# Altium PCB ArtistV1.0.PcbDoc (part 2 of 2)
Units mil, origin at the board's own origin, x right, y up, seen from the top; angles counter-clockwise.
Board outline 3855.44 x 3150 mil, 2 copper layers (Top, Bottom); 115 components, 178 nets, 596 pads, 178 vias.
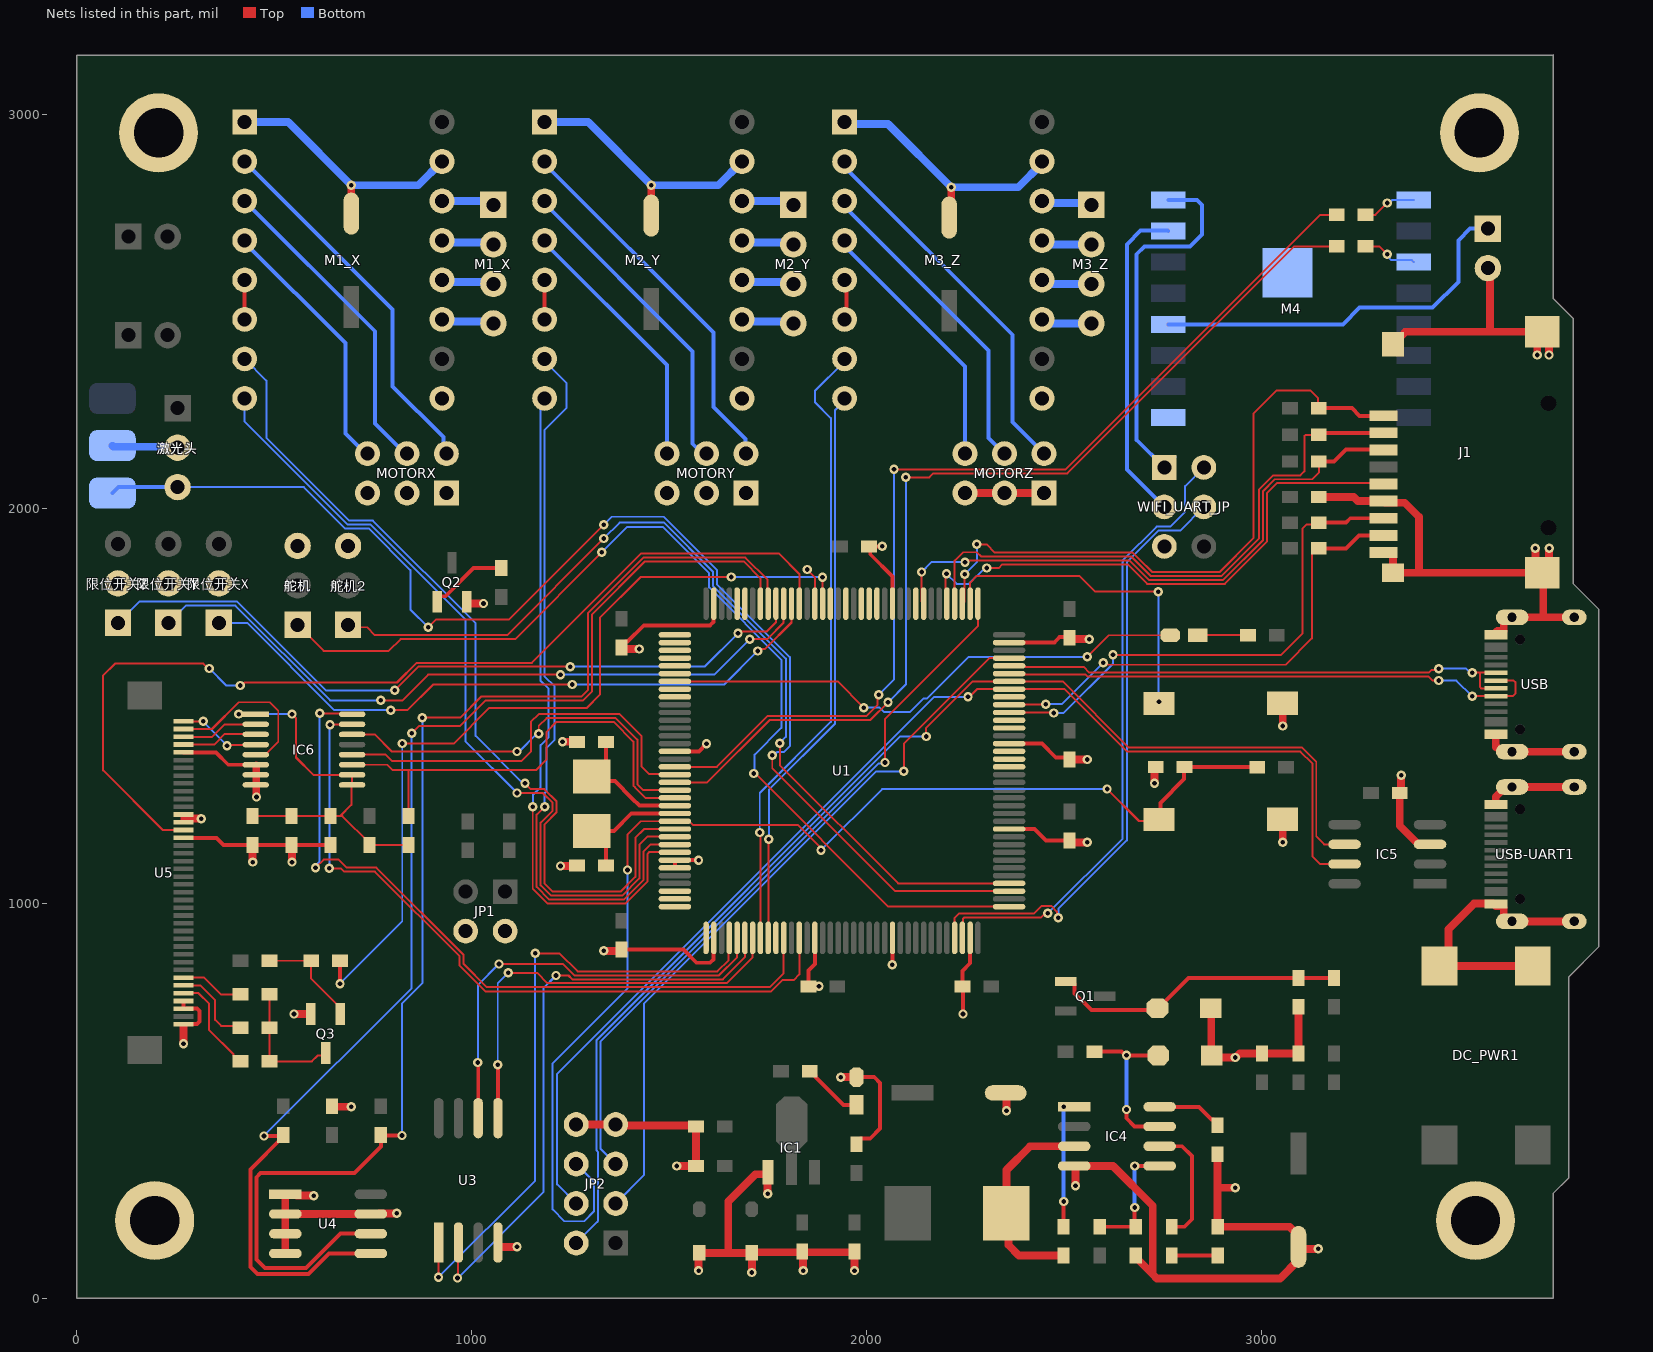
[diagram p2: the nets of this part, all layers, seen from the top]

## Via types
v1: diameter 23.62, hole 11.81, Top to Bottom, 170 vias
v2: diameter 50, hole 28, Top to Bottom, 6 vias
v3: diameter 62.99, hole 62.99, Top to Bottom, 1 vias
v4: diameter 70.87, hole 70.87, Top to Bottom, 1 vias

## Nets (pads, with @x,y where several pads share a name; then routed paths per layer and width w, separated by ;. In a path a pad name is that pad's centre, name@x,y a point inside that pad or via, vN(x,y) a via of type N, cw(c..) or ccw(c..) an arc to the next point about the centre after c; other vN are vias at no path point) (continued)
GND: "GPIO0  GND.2" C1.1 C4.1 C5.1 C6.1 C7.1 C8.1 C9.1 C10.1 C14.1 C15.2 C16.2 C17.2 C18.2 C20.2 C21.2 C23.2 C25.1 C26.1 C27.2 C28.1 C29.1 C37.1 C38.2 C39.2 C42.1 C43.1 C44.2 D1.1 D2.1 DC_PWR1.2 DC_PWR1.3 Designator1.1 Designator2.1 Designator3.1 Designator4.1 DZ1.1 DZ2.1 E1.2 E2.2 E3.2 IC1.1 IC4.4 IC5.3 IC6.6 IC6.7 IC6.8 J1.6 J1.9 J1.10 J1.11 J1.12 J1.13 JP1.2 JP1.4 JP2.7 JP2.8 Key_RST.2 Key_User.2 M1_X.1@425,2980 M1_X.9 M1_X.15 M2_Y.1@1185,2980 M2_Y.9 M2_Y.15 M3_Z.1@1945,2980 M3_Z.9 M3_Z.15 M4.9 M4.17 MOTORX.1 MOTORX.3 MOTORX.5 MOTORY.1 MOTORY.3 MOTORY.5 MOTORZ.1 MOTORZ.3 MOTORZ.5 PAD1.1 PWR.2 Q2.2 Q3.2 R8.1 R9.1 R12.1 U1.16 U1.30 U1.31 U1.38 U1.51 U1.61 U1.71 U1.83 U1.94 U1.107 U1.120 U1.130 U1.143 U3.4 U4.1 U4.2 U4.3 U4.4 U4.7 U5.5 U5.13 U5.14 U5.16 U5.37 U5.38 U5.40 USB-UART1.1 USB-UART1.2 USB-UART1.3 USB-UART1.4 USB-UART1.A1 USB-UART1.A12 USB-UART1.B1 USB-UART1.B12 USB.1 USB.2 USB.3 USB.4 USB.A1 USB.A12 USB.B1 USB.B12 WIFI_UART_JP.5 激光头.2 舵机2.3 舵机.3 限位开关X.2 限位开关Y.2 限位开关Z.2 | length 13303.8
  Top w5: v1(1850,1846.19) 1869.47,1826.71 U1.130@1869.47,1759.79
  Top w10: U5.40@270,694.13 270.91,695.04 304.14,695.04 310,700.9 310,727.65 304.14,733.5 U5.38@270,733.5 U5.37@270,753.19 ; U5.16@270,1166.57 353.31,1166.57 371.38,1148.5 C44.2@445,1148.5 C42.1@543.75,1148.5 C43.1@642.5,1148.5 ; U5.14@270,1205.94 U5.13@270,1225.63 ; U5.5@270,1383.11 351.89,1383.11 383.39,1351.61 IC6.6@452.95,1351.61 ; C10.1@1380,883.5 1536.5,883.5 1570,850 1604.14,850 1612.84,858.7 1612.84,912.32 U1.38@1613.57,913.05 ; C6.1@1380,1648.5 1380,1653.5 1390,1663.5 1395,1663.5 1436.5,1705 1604.14,1705 1612.84,1713.7 1612.84,1759.06 U1.143@1613.57,1759.79 ; U1.31@1515,1090.35 U1.30@1515,1110.04 v1(1575,1110) v1(1575,1110) ; U1.16@1515,1385.63 1575.63,1385.63 v1(1595,1405) ; U1.51@1869.47,913.05 1869.47,846.77 1853.5,830.8 C7.1@1853.5,790 v1(1880,790) ; PWR.2@1974.74,560 2020,560 2035,545 2035,430 2010,405 1985,405 1975,395 C25.1@1975,390 ; v1(2040,1905) C8.1@2006.5,1905 2010,1901.5 2010,1885 2066.32,1828.68 U1.120@2066.32,1759.79 ; v1(2065.95,845) 2066.14,845.19 2066.14,912.86 U1.61@2066.32,913.05 ; v1(2245,720) 2245,788.5 C4.1@2243.5,790 2243.5,828.95 2263.17,848.62 U1.71@2263.17,913.05 ; U1.83@2361.74,1188.78 2426.22,1188.78 2455,1160 C9.1@2515,1160 ; U1.94@2361.74,1405.32 2444.68,1405.32 2480,1370 2510,1370 C5.1@2515,1365 ; U1.107@2361.74,1661.22 2476.22,1661.22 2490,1675 2513.5,1675 C1.1@2515,1673.5
  Top w19.68: U4.4@527.95,113.43 U4.3@527.95,163.43 U4.2@527.95,213.43 ; U4.1@527.95,263.43 U4.2@527.95,213.43 ; E1.2@695,2748.11 v1(695,2820) ; U4.7@744.49,213.43 U4.2@527.95,213.43 ; JP2.8@1265,440 JP2.7@1365,440 1367.5,437.5 1566,437.5 C17.2@1568.5,435 C18.2@1568.5,335 ; E2.2@1455,2748.11 v1(1455,2820) ; D2.1@1582.91,124.72 1577,118.82 D2.1@1577,114.88 D1.1@1709.17,114.88 ; 1650,115 1650,245 1719.17,314.17 1747.01,314.17 1750.94,318.11 IC1.1@1750.94,319.13 ; D1.1@1709.17,116.69 1968.19,116.69 C16.2@1970,118.5 ; E3.2@2215,2743.11 v1(2215,2815) ; MOTORZ.5@2250,2040 MOTORZ.3@2350,2040 MOTORZ.1@2450,2040 ; IC4.4@2526.73,335 2625,335 2725.62,234.38 2725.62,60.62 ; R8.1@2682.5,108 2682.5,103.75 2725.62,60.62 ; DZ2.1@2872.5,735 2873.75,733.75 2873.75,616.17 DZ1.1@2875,614.92 ; C26.1@2890,365 R9.1@2890,181 3072.29,181 3095,158.29 C27.2@3095,130.15 3095,96.69 3048.31,50 2736.25,50 2725.62,60.62 ; v1(2935,610) 2936.07,610 2945.99,619.92 C29.1@3002.5,619.92 C28.1@3095,619.92 R12.1@3095,738.5 ; C38.2@3146.5,2030 3235,2030 3245,2020 3309.45,2020 J1.6@3310,2019.45 3313.94,2015.51 3364.49,2015.51 3400,1980 3400,1838.35 ; J1.9@3310,1889.53 3330.75,1889.53 3334.69,1885.59 J1.10@3334.69,1838.35 3400,1838.35 ; J1.11@3334.69,2417.09 3334.69,2421.02 3352.4,2438.74 3356.34,2438.74 3366.18,2448.58 3580,2448.58 ; C37.1@3351.5,1280 3351.5,1197.24 3398.74,1150 IC5.3@3428.27,1150 ; 3575,2610 3580,2605 3580,2448.58 ; USB-UART1.B12@3588.32,1000 3540,1000 3475,935 3475,864.37 DC_PWR1.2@3452.01,841.38 DC_PWR1.3@3688.23,841.38 ; USB-UART1.A12@3595,1255.29 USB-UART1.A12@3595.21,1255.08 ; USB-UART1.A1@3595.21,993.11 3610.96,993.11 3614.9,989.17 3614.9,963.82 3623.99,954.72 USB-UART1.3@3636.16,954.72 USB-UART1.2@3793.64,954.72 ; USB-UART1.A12@3595.21,1256.89 3595,1257.1 3595,1270.44 3619.83,1295.28 USB-UART1.4@3636.16,1295.28 USB-UART1.1@3793.64,1295.28 ; USB.A1@3595.21,1423.11 3595,1422.9 3595,1396.26 3597.65,1396.26 3609.18,1384.72 USB.3@3636.16,1384.72 USB.2@3793.64,1384.72 ; USB.A12@3595.21,1686.89 3599.15,1690.83 3614.9,1690.83 3614.9,1716.18 3623.99,1725.28 USB.4@3636.16,1725.28 3715,1725.28 ; J1.13@3712.64,2448.58 3580,2448.58 ; USB.1@3793.64,1725.28 3715,1725.28 ; 3400,1838.35 J1.12@3712.64,1838.35 3715,1835.98 3715,1725.28
  Top w20: v1(270,645) 270,688.11 ; 271.89,1215 v1(315,1215) ; v1(445,1105) C44.2@445,1148.11 ; IC6.6@454.31,1350.26 454.31,1270.69 v1(455,1270) ; v1(545,1105) C42.1@545,1148.11 ; v1(550,720) Q3.2@593.11,720 ; U4.1@556.89,260 v1(600,260) ; C39.2@651.89,485 v1(695,485) ; U4.7@766.89,215 v1(810,215) ; Q2.2@986.89,1760 v1(1030,1760) ; U3.4@1071.89,130 v1(1115,130) ; v1(1225,1095) C21.2@1268.11,1095 ; v1(1230,1410) C20.2@1268.11,1410 ; v1(1335,880) C10.1@1378.11,880 ; C6.1@1381.89,1645 v1(1425,1645) ; v1(1520,335) C18.2@1563.11,335 ; v1(1575,70) D2.1@1575,113.11 ; v1(1710,65) D1.1@1710,108.11 ; v1(1750,265) IC1.1@1750,308.11 ; v1(1840,70) C15.2@1840,113.11 ; v1(1935,560) PWR.2@1978.11,560 ; v1(1970,70) C16.2@1970,113.11 ; C23.2@2353.11,520 2355,518.11 v1(2355,475) ; C9.1@2516.89,1155 v1(2560,1155) ; C5.1@2516.89,1365 v1(2560,1365) ; C1.1@2521.89,1670 v1(2565,1670) ; v1(2530,285) IC4.4@2530,328.11 ; v1(2730,1305) C14.1@2730,1348.11 ; 2891.89,280 v1(2935,280) ; DZ1.1@2891.89,610 v1(2935,610) ; v1(3055,1155) Key_RST.2@3055,1198.11 ; v1(3055,1450) Key_User.2@3055,1493.11 ; C27.2@3101.89,125 v1(3145,125) ; C37.1@3355,1281.89 v1(3355,1325) ; J1.12@3695,1856.89 v1(3695,1900) ; v1(3700,2390) J1.13@3700,2433.11 ; v1(3729.51,2389.73) J1.13@3729.51,2432.84 ; J1.12@3730,1856.89 v1(3730,1900)
  Bottom w19.68: PAD1.1@90,2160 92.5,2157.5 252.5,2157.5 激光头.2@255,2155 ; M1_X.1@425,2980 535,2980 v1(695,2820) 865,2820 M1_X.15@925,2880 ; M2_Y.1@1185,2980 1295,2980 v1(1455,2820) 1625,2820 M2_Y.15@1685,2880 ; M3_Z.1@1945,2975 2055,2975 v1(2215,2815) 2385,2815 M3_Z.15@2445,2875
"I2C1 SCL PB6": R19.1 U1.136 U4.6 | length 3295.4
  Top w5: v1(875.15,1470.78) 970.78,1470.78 1025,1525 1278.54,1525 1295,1541.46 1295,1736.6 1435.06,1876.66 1693.29,1876.66 1749.81,1820.15 1749.81,1761.34 U1.136@1751.36,1759.79
  Top w10: U4.6@744.49,163.43 667.63,163.43 580.47,76.26 476.38,76.26 454.98,97.66 454.98,306.46 465.53,317 703.08,317 770,383.93 R19.1@770,413.5 771.18,412.32 v1(823.7,412.32)
  Bottom w5: v1(823.7,412.32) 823.7,746.8 875.15,798.26 v1(875.15,1470.78)
"I2C1 SDA PB7": R20.1 U1.137 U4.5 | length 3190.5
  Top w5: v1(848.16,1431.8) 866.75,1450.39 971.05,1450.39 1035.66,1515 1282.68,1515 1305,1537.32 1305,1732.46 1439.21,1866.66 1689.15,1866.66 1731.68,1824.13 U1.137@1731.68,1759.79
  Top w10: v1(473.8,411.05) R20.1@522.61,411.05 ; R20.1@522.61,413.5 R20.1@522.61,411.05 ; R20.1@526.32,411.05 R20.1@522.61,411.05 ; U4.5@744.49,113.43 638.85,113.43 586.68,61.26 457.54,61.26 439.98,78.82 439.98,326.62 522.61,409.25 R20.1@522.61,411.05
  Bottom w5: v1(473.8,411.05) 848.16,785.41 v1(848.16,1431.8)
"KEY PA15": Key_User.1 U1.110 | length 833.6
  Top w5: U1.110@2263.17,1759.79 2263.17,1813.17 2280,1830 2540,1830 2580,1790 v1(2740,1790)
  Bottom w5: v1(2740,1790) 2740,1512.58 v1(2741.75,1510.84)
LCD_BLK: R31.1 U1.129 | length 2151.6
  Top w5: v1(824.17,1405.41) 954.35,1405.41 1043.9,1494.96 1290.98,1494.96 1325.04,1529.02 1325.04,1724.15 1428.2,1827.31 v1(1657.61,1827.31) ; v1(1888.87,1826.45) 1889.02,1826.3 1889.02,1759.93 U1.129@1889.16,1759.79
  Top w10: R31.1@663.81,845.48 R31.1@666.26,845.48 ; v1(666.26,796.67) R31.1@666.26,845.48 ; R31.1@666.26,849.19 R31.1@666.26,845.48 ; R31.1@668.06,845.48 R31.1@666.26,845.48
  Bottom w5: v1(666.26,796.67) 824.17,954.58 v1(824.17,1405.41) ; v1@1657.61,1826.88 1888.44,1826.88 v1(1888.87,1826.45)
LCD_RST: U1.132 U5.15 | length 2541.6
  Top w5: U5.15@270,1186.26 217.64,1186.26 66.29,1337.61 66.29,1443.23 66.19,1443.34 66.19,1577.84 96.33,1607.98 320.46,1607.98 332.78,1595.65 v1(335.44,1595.65) ; v1(413.42,1552.39) 418.04,1552.39 425.66,1560 810.86,1560 860.86,1610 1152.43,1610 1429.71,1887.28 1777.72,1887.28 1830.1,1834.9 U1.132@1830.1,1759.79
  Bottom w5: v1(335.44,1595.65) 378.71,1552.39 v1(413.42,1552.39)
"LED PC13": U1.7 UserLED.2 | length 1367.9
  Top w5: U1.7@1515,1562.8 1927.2,1562.8 v1(1993.85,1496.15) ; v1(2560,1625) 2614.74,1679.74 UserLED.2@2770,1679.74
  Bottom w5: v1(1993.85,1496.15) 2033.85,1496.15 2045,1485 2110,1485 2145,1520 2153.93,1520 2258.93,1625 v1(2560,1625)
LEDK1: R28.2 U5.34 | length 162
  Top w5: U5.34@270,812.24 322.21,812.24 364.45,770 R28.2@414.47,770
LEDK2: R29.2 U5.35 | length 218.3
  Top w5: U5.35@270,792.56 312.44,792.56 350,755 350,705 365,690 409.47,690 R29.2@414.47,685
LEDK3: R30.2 U5.36 | length 257.5
  Top w5: U5.36@270,772.87 307.98,772.87 335,745.86 335,679.47 396.97,617.5 396.97,613.25 410.22,600 R30.2@414.47,600
limit_switch_trig_X: U1.133 限位开关X.1 | length 1682.6
  Top w5: v1(795,1490) 837.24,1490 902.24,1555 v1(1255,1555) ; v1(1725,1640) 1725,1641.06 1728.94,1645 1743.36,1645 1810.42,1712.06 U1.133@1810.42,1759.79
  Bottom w5: 限位开关X.1@359.68,1711.06 431.37,1711.06 652.43,1490 v1(795,1490) ; v1(1255,1555) 1640,1555 v1(1725,1640)
limit_switch_trig_Y: U1.134 限位开关Y.1 | length 1805.9
  Top w5: v1(770,1515) 825,1515 890,1580 v1(1225,1580) ; v1(1705,1670) 1748.67,1670 1790.73,1712.06 U1.134@1790.73,1759.79
  Bottom w5: 限位开关Y.1@231.81,1711.06 275.75,1755 401.57,1755 641.57,1515 v1(770,1515) ; v1(1225,1580) 1615,1580 v1(1705,1670)
limit_switch_trig_Z: U1.135 限位开关Z.1 | length 1936.8
  Top w5: v1(805,1540) 865,1600 v1(1250,1600) ; v1(1675,1685) 1679.31,1689.31 1748.3,1689.31 1771.05,1712.06 U1.135@1771.05,1759.79 U1.135@1771.05,1794.9
  Bottom w5: 限位开关Z.1@103.94,1711.06 157.87,1765 405.71,1765 445.36,1725.36 630.71,1540 v1(805,1540) ; v1(1250,1600) 1590,1600 v1(1675,1685)
M1_DIR: M1_X.8 U1.27 | length 2104.9
  Top w5: v1(1115,1280) 1180,1280 1205,1255 1205,1235 1175,1205 1175,1046.28 1201.28,1020 1381.28,1020 1424.85,1063.57 1424.85,1149.09 1445.76,1170 1514.09,1170 U1.27@1515,1169.09
  Bottom w5: M1_X.8@425,2280 425,2220.86 685.86,1960 744.14,1960 855,1849.14 985,1719.14 985,1410 v1(1115,1280)
M1_STEP: M1_X.7 U1.26 | length 2189.5
  Top w5: v1(1135,1305) 1150,1290 1184.14,1290 1215,1259.14 1215,1230.86 1185,1200.86 1185,1050.42 1205.42,1030 1377.13,1030 1414.85,1067.72 1414.85,1166.66 1436.97,1188.78 U1.26@1515,1188.78
  Bottom w5: M1_X.7@425,2380 480,2325 480,2180 690,1970 750,1970 1010,1710 1010,1425 1130,1305 v1(1135,1305)
M2_DIR: M2_Y.8 U1.29 | length 1737
  Top w5: v1(1155,1245) 1154.85,1244.85 1154.85,1037.93 1192.93,999.85 1389.62,999.85 1445,1055.23 1445,1125 1450.63,1130.63 1514.09,1130.63 U1.29@1515,1129.72
  Bottom w5: v1(1155,1245) 1155,1275 1175,1295 1175,1401.21 1195,1421.21 1195,1543.79 1175,1563.79 1175,2266.06 M2_Y.8@1183.94,2275
M2_STEP: M2_Y.7 U1.28 | length 1871.6
  Top w5: v1(1185,1245) 1184.85,1245 1164.85,1225 1164.85,1042.07 1197.07,1009.85 1385.48,1009.85 1435,1059.37 1435,1131.41 1453,1149.41 U1.28@1515,1149.41
  Bottom w5: M2_Y.7@1183.94,2375 1240,2318.94 1240,2255 1185,2200 1185,1575 1210,1550 1210,1415 1190,1395 1190,1285 1185,1280 v1(1185,1245)
M3_DIR: M3_Z.8 U1.45 | length 1435.5
  Top w5: U1.45@1751.36,913.05 1752.13,913.81 1752.13,1162.06 v1(1752.9,1162.83)
  Bottom w5: v1(1752.9,1162.83) 1752.9,1287.9 1920.61,1455.61 1920.61,2249.54 M3_Z.8@1941.06,2270
M3_STEP: M3_Z.7 U1.44 | length 1578.2
  Top w5: v1(1730,1180) 1731.68,1178.32 U1.44@1731.68,913.05
  Bottom w5: v1(1730,1180) 1730,1280 1910,1460 1910,2230 1870,2270 1870,2298.94 M3_Z.7@1941.06,2370
NetB1_1: 
NetC22_1: C22.1 IC4.3 L1.1 | length 539.8
  Top w19.68: C22.1@2500,108 2387,108 2360,135 2360,210 L1.1@2355,215 2355,325 2415,385 IC4.3@2526.73,385
NetC22_2: C22.2 IC4.1 | length 304
  Top w10: C22.2@2500,181 v1(2500,245)
  Bottom w10: v1(2500,245) v1(2500,485)
NetC24_1: C24.1 R9.2 | length 116.2
  Top w10: C24.1@2773.75,108 R9.2@2890,108
NetC24_2: C24.2 IC4.6 | length 311.2
  Top w10: IC4.6@2743.27,385 2800,385 2825,360 2825,200 2806,181 C24.2@2773.75,181
NetC26_2: C26.2 IC4.8 | length 169.1
  Top w10: IC4.8@2743.27,485 2843,485 2875,453 2880,453 2890,443 C26.2@2890,438
NetDZ1_2: DZ1.2 IC4.7 R6.1 | length 418.4
  Top w10: R6.1@2578,624.92 2646.81,624.92 2656.41,615.32 v1(2659.03,615.32) 2659.23,615.12 2739.8,615.12 DZ1.2@2740,614.92 ; v1(2659.03,478.25) 2659.03,455.97 2680,435 IC4.7@2743.27,435
  Bottom w10: v1(2659.03,478.25) v1(2659.03,615.32)
NetDZ2_2: DZ2.2 Q1.1 R10.1 R12.2 | length 757.3
  Top w10: Q1.1@2505,802.4 2520.75,802.4 2527.56,795.59 2527.56,772.44 2570,730 2735,730 2816.5,811.5 R12.2@3095,811.5 R10.1@3185,811.5
NetIC4_5: IC4.5 R7.2 R8.2 | length 309.6
  Top w10: R7.2@2591.25,181 R8.2@2682.5,181 2680,183.5 v1(2680,230) ; v1(2680,335) IC4.5@2743.27,335
  Bottom w10: v1(2680,230) v1(2680,335)
NetM1_2: M1_X.2@425,2880 MOTORX.2 | length 956.7
  Bottom w10: M1_X.2@425,2880 800,2505 800,2310 928.5,2181.5 928.5,2142.56 MOTORX.2@936.06,2135
NetM1_3: M1_X.3@425,2780 MOTORX.4 | length 815.3
  Bottom w10: M1_X.3@425,2780 755,2450 755,2216.06 MOTORX.4@836.06,2135
NetM1_4: M1_X.4@425,2680 MOTORX.6 | length 673.8
  Bottom w10: M1_X.4@425,2680 425,2675 680,2420 680,2191.06 MOTORX.6@736.06,2135
NetM1_5: M1_X.5 M1_X.6 | length 100
  Top w10: M1_X.6@425,2480 M1_X.5@425,2580
NetM1_11: M1_X.4@1055,2470 M1_X.11 | length 134.1
  Bottom w20: M1_X.11@925,2480 930,2475 1050,2475 M1_X.4@1055,2470
NetM1_12: M1_X.3@1055,2570 M1_X.12 | length 134.1
  Bottom w20: M1_X.12@925,2580 930,2575 1050,2575 M1_X.3@1055,2570
NetM1_13: M1_X.2@1055,2670 M1_X.13 | length 134.1
  Bottom w20: M1_X.13@925,2680 930,2675 1050,2675 M1_X.2@1055,2670
NetM1_14: M1_X.1@1055,2770 M1_X.14 | length 134.1
  Bottom w20: M1_X.14@925,2780 1045,2780 M1_X.1@1055,2770
NetM2_2: M2_Y.2@1185,2880 MOTORY.2 | length 956.7
  Bottom w10: M2_Y.2@1183.94,2875 1612.5,2446.44 1612.5,2257.5 1693.5,2176.5 1693.5,2131.5 MOTORY.2@1695,2130
NetM2_3: M2_Y.3@1185,2780 MOTORY.4 | length 815.3
  Bottom w10: M2_Y.3@1183.94,2775 1560,2398.94 1560,2165 MOTORY.4@1595,2130
NetM2_4: M2_Y.4@1185,2680 MOTORY.6 | length 673.8
  Bottom w10: M2_Y.4@1183.94,2675 1495,2363.94 MOTORY.6@1495,2130
NetM2_5: M2_Y.5 M2_Y.6 | length 100
  Top w10: M2_Y.6@1185,2480 M2_Y.5@1185,2580
NetM2_11: M2_Y.4@1815,2470 M2_Y.11 | length 134.1
  Bottom w20: M2_Y.11@1690,2480 1695,2475 1815,2475 M2_Y.4@1820,2470
NetM2_12: M2_Y.3@1815,2570 M2_Y.12 | length 134.1
  Bottom w20: M2_Y.12@1690,2580 1695,2575 1815,2575 M2_Y.3@1820,2570
NetM2_13: M2_Y.2@1815,2670 M2_Y.13 | length 134.1
  Bottom w20: M2_Y.13@1690,2680 1695,2675 1815,2675 M2_Y.2@1820,2670
NetM2_14: M2_Y.1@1815,2770 M2_Y.14 | length 134.1
  Bottom w20: M2_Y.14@1690,2780 1810,2780 M2_Y.1@1820,2770
NetM3_2: M3_Z.2@1945,2880 MOTORZ.2 | length 940.8
  Bottom w10: M3_Z.2@1941.06,2870 2370,2441.06 2370,2220 MOTORZ.2@2450,2140
NetM3_3: M3_Z.3@1945,2780 MOTORZ.4 | length 799.4
  Bottom w10: M3_Z.3@1941.06,2770 2310,2401.06 2310,2180 MOTORZ.4@2350,2140
NetM3_4: M3_Z.4@1945,2680 MOTORZ.6 | length 673
  Bottom w10: M3_Z.4@1941.06,2670 2250,2361.06 MOTORZ.6@2250,2125
NetM3_5: M3_Z.5 M3_Z.6 | length 100
  Top w10: M3_Z.6@1950,2480 M3_Z.5@1950,2580
NetM3_11: M3_Z.4@2570,2470 M3_Z.11 | length 134.1
  Bottom w20: M3_Z.11@2450,2475 2455,2470 2575,2470 M3_Z.4@2580,2465
NetM3_12: M3_Z.3@2570,2570 M3_Z.12 | length 134.1
  Bottom w20: M3_Z.12@2450,2575 2455,2570 2575,2570 M3_Z.3@2580,2565
NetM3_13: M3_Z.2@2570,2670 M3_Z.13 | length 134.1
  Bottom w20: M3_Z.13@2450,2675 2455,2670 2575,2670 M3_Z.2@2580,2665
NetM3_14: M3_Z.1@2570,2770 M3_Z.14 | length 134.1
  Bottom w20: M3_Z.14@2450,2775 2570,2775 M3_Z.1@2580,2765
NetM4_15: M4.15 WIFI_UART_JP.3 | length 824.4
  Bottom w10: WIFI_UART_JP.3@2755,2005 2660,2100 2660,2670 2695,2705 2763.74,2705 M4.15@2765,2703.74
NetM4_16: M4.16 WIFI_UART_JP.1 | length 957.3
  Bottom w10: M4.16@2765,2782.48 2837.52,2782.48 2850,2770 2850,2695 2820,2665 2705,2665 2685,2645 2685,2175 WIFI_UART_JP.1@2755,2105 WIFI_UART_JP.1@2781.5,2131.5
NetPWR_1: PWR.1 R4.1 | length 155.5
  Top w10: R4.1@1856.5,575 1860.75,575 1871.5,564.25 1871.5,560.75 1942.24,490 PWR.1@1974.74,490
NetQ2_1: Q2.1 R22.2 | length 202.1
  Top w10: Q2.1@912.6,1764.41 912.6,1771.74 919.41,1778.55 933.55,1778.55 1005,1850 R22.2@1075,1850
NetQ3_1: Q3.1 R31.2 R32.2 | length 271.6
  Top w5: R32.2@487.47,855 R31.2@593.5,855 593.5,809.65 667.4,735.75 Q3.1@667.4,720
NetQ3_3: Q3.3 R28.1 R29.1 R30.1 | length 321.2
  Top w5: R28.1@487.47,770 R29.1@487.47,685 R30.1@487.47,600 595,600 610,615 623.97,615 Q3.3@630,621.03
NetR5_1: R5.1 UserLED.1 | length 127.1
  Top w5: UserLED.1@2840,1679.74 2840.25,1680 R5.1@2967,1680
NRST: C14.2 JP2.6 Key_RST.1 R1.2 U1.25 | length 3132.6
  Top w5: v1(1395,1085) 1395,1175 1428.46,1208.46 U1.25@1515,1208.46 1551.49,1208.46 1560.65,1199.31 1825.69,1199.31 1885.43,1139.57 1885.43,1135.43 v1(1885,1135) ; v1(2610,1290) 2690.88,1209.12 2737.99,1209.12 Key_RST.1@2741.61,1212.74
  Top w10: Key_RST.1@2741.61,1212.74 2745,1216.13 2745,1255 2805,1315 2805,1344.48 C14.2@2806.24,1345.72 R1.2@2990.57,1345.72
  Bottom w5: JP2.6@1265,340 1310,295 1310,220 1285,195 1235,195 1205,225 1205,595 1395,785 v1(1395,1085) ; v1(1885,1135) 2040,1290 v1(2610,1290)
"OS 8M IN": C20.1 U1.23 X1.1 | length 343.9
  Top w10: C20.1@1340.1,1409.51 1340.1,1357.78 X1.1@1304.23,1321.91 1316.14,1310 1362.83,1310 1406.78,1266.05 1425,1247.83 U1.23@1515,1247.83
"OS 8M OUT": C21.1 U1.24 X1.2 | length 331.6
  Top w10: C21.1@1340.1,1096.42 1340.1,1148.24 X1.2@1304.23,1184.11 1360.33,1184.11 1404.37,1228.15 U1.24@1515,1228.15
"OS 32K IN": U1.8
"OS 32K OUT": U1.9
PA0: U1.34
PA1: U1.35
PA2: U1.36
PA3: U1.37
PA4: U1.40 U3.1 | length 1588.9
  Top w5: v1(915.94,53.11) 915.94,140.51 U3.1@916.68,141.24 ; v1(1160.79,873.85) 1222.46,873.85 1268.26,828.05 1622.56,828.05 1651.26,856.75 1651.26,911.37 U1.40@1652.94,913.05
  Bottom w5: v1(915.94,53.11) 1160.79,297.96 v1(1160.79,873.85)
PA5: U1.41 U3.6 | length 1094.1
  Top w5: v1(1069.34,846.95) 1231.21,846.95 1260.12,818.05 1626.7,818.05 1672.62,863.97 U1.41@1672.62,913.05
  Top w10: U3.6@1016.69,456.2 v1@1016.69,594.87
  Bottom w5: v1(1015.55,597.13) 1015.55,793.16 v1(1069.34,846.95)
PA6: U1.42 U3.2 | length 1515.8
  Top w5: v1(964.29,51.13) 965.49,52.33 965.49,140.05 U3.2@966.69,141.24 ; v1(1213.7,817.68) 1245.35,817.68 1254.98,808.05 1636.38,808.05 1692.31,863.97 U1.42@1692.31,913.05
  Bottom w5: v1(964.29,51.13) 1182.36,269.2 1182.36,786.33 v1(1213.7,817.68)
PA7: U1.43 U3.5 | length 1086.1
  Top w5: v1(1092.78,824.31) 1145.18,824.31 1145.29,824.42 1165.69,824.42 1192.06,798.05 1646.07,798.05 1711.99,863.97 U1.43@1711.99,913.05
  Top w10: v1(1065.9,591.29) 1066.69,590.51 U3.5@1066.69,456.2
  Bottom w5: v1(1065.9,591.29) 1066.13,591.52 1066.13,797.67 v1(1092.78,824.31)
PA8: U1.100
PA9: IC5.7 JP2.4 U1.101 | length 3068.9
  Top w5: v1(2257.5,1523.65) 2261.38,1523.65 2281.28,1543.55 U1.101@2361.74,1543.55 ; U1.101@2361.74,1543.11 2502.75,1543.11 2660.86,1385 3100,1385 3130,1355 3130,1120 3150,1100 IC5.7@3211.73,1100
  Bottom w5: JP2.4@1265,240 1216.41,288.59 1216.41,568.33 2171.73,1523.65 v1(2257.5,1523.65)
PA10: IC5.6 JP2.2 U1.102 | length 3104.4
  Top w5: v1(2151.59,1423.27) 2151.59,1445.05 2268.61,1562.07 U1.102@2362.46,1562.07 ; U1.102@2361.74,1562.8 2497.2,1562.8 2665,1395 3104.14,1395 3140,1359.14 3140,1170 3160,1150 IC5.6@3211.73,1150
  Bottom w5: JP2.2@1265,140 1318.54,193.54 ccw(c1315,197.07) 1320,197.07 1320,368.79 ccw(c1315,368.79) 1318.52,372.34 1317.7,373.16 cw(c1321.23,376.7) 1316.23,376.7 1316.23,430.83 ccw(c1311.23,430.86) 1316.23,431.04 1316.21,431.69 cw(c1321.21,431.85) 1316.21,431.85 1316.21,435.29 ccw(c1311.21,435.32) 1316.19,435.75 cw(c1365,440) 1316.19,444.25 ccw(c1311.21,444.68) 1316.21,444.71 1316.21,448.15 cw(c1321.21,448.15) 1316.21,448.3 1316.23,448.96 ccw(c1311.23,449.14) 1316.23,449.17 1316.23,651.94 cw(c1321.23,651.94) 1317.71,655.5 2085.49,1423.27 v1(2151.59,1423.27)
PA11: U1.103 USB.A7 USB.B7 | length 1389.2
  Top w5: U1.103@2361.74,1582.48 2363.42,1580.8 2402.71,1580.8 2403.51,1580 2555.86,1580 2560.86,1575 3425,1575 3435,1565 v1(3450,1565) ; v1(3535,1525) 3535.24,1525.24 3594.98,1525.24 USB.B7@3595.21,1525.47 3637.54,1525.47 3645,1532.93 3645,1560 3640.16,1564.84 USB.A7@3595.21,1564.84
  Bottom w5: v1(3450,1565) 3495,1565 v1(3535,1525)
PA12: U1.104 USB.A6 USB.B6 | length 1327.2
  Top w5: U1.104@2361.74,1602.17 2363.42,1600.49 2402.71,1600.49 2403.51,1599.69 2550.31,1599.69 2565,1585 3425.36,1585 3431.8,1591.44 3446.44,1591.44 v1(3450,1595) ; v1(3535,1585) 3535.24,1584.76 3555,1584.76 ; USB.A6@3595.21,1545.16 3557.93,1545.16 3555,1548.09 3555,1584.76 ; USB.B6@3595.21,1584.53 3594.98,1584.76 3555,1584.76
  Bottom w5: v1(3450,1595) 3519.96,1595 3529.96,1585 v1(3535,1585)
PB0: U1.46
PB1: IC6.16 U1.47 | length 1925.9
  Top w5: v1(604.25,1090.69) 624.72,1111.15 663.29,1111.15 683.36,1091.08 758.78,1091.08 979.31,870.54 979.31,847.54 1038.8,788.05 1755.27,788.05 1790.73,823.51 U1.47@1790.73,913.05 ; v1(615.03,1482.45) 616.47,1481.01 695.6,1481.01 IC6.16@697.05,1479.57
  Bottom w5: v1(604.25,1090.69) 604.25,1095.73 615.03,1106.5 v1(615.03,1482.45)
PB8: U1.139
PB9: U1.140
PB10: U1.69 WIFI_UART_JP.4 | length 1570.8
  Top w5: U1.69@2223.8,913.05 2223.8,963.8 2235,975 2425,975 2444.31,994.31 2468,994.31 2483.01,979.3 2483.01,967.93 v1(2486.57,964.37)
  Bottom w5: v1(2486.57,964.37) 2486.57,986.57 2660,1160 2660,1865.15 2739.85,1945 2795,1945 WIFI_UART_JP.4@2855,2005
PB11: U1.70 WIFI_UART_JP.2 | length 1580.8
  Top w5: U1.70@2243.49,913.05 2245,914.56 2245,962.07 2247.93,965 2442.76,965 2449.2,971.44 v1@2458.56,971.44
  Bottom w5: v1(2460,975) 2649.39,1164.39 2649.39,1865 2650,1865.61 2650,1869.29 2735.71,1955 2770,1955 2807.53,1992.53 2807.53,2057.53 WIFI_UART_JP.2@2855,2105
PB12: U1.73 舵机.1 | length 2647.6
  Top w5: 舵机.1@558.94,1706.06 625,1640 790,1640 820,1670 1110,1670 v1(1330,1890) ; v1(1715.12,1329.65) 1718.07,1329.65 2055.8,991.93 U1.73@2361.74,991.93
  Bottom w5: v1(1330,1890) 1394.31,1954.31 1484.31,1954.31 1601.46,1837.16 1601.46,1801.11 1785,1617.57 1785,1445 1717.09,1377.09 1717.09,1331.63 v1(1715.12,1329.65)
PB14: PAD2.1 U1.75 激光头.3 | length 3254.5
  Top w5: v1(890,1700) 910,1720 1095,1720 v1(1335,1960) ; v1(1761.63,1375.37) 1761.63,1342.58 2072.9,1031.3 U1.75@2361.74,1031.3
  Bottom w5: 激光头.3@255,2055 575,2055 680,1950 740,1950 845,1845 845,1745 v1(890,1700) ; v1(1335,1960) 1355,1980 1486.91,1980 1621.46,1845.45 1621.46,1809.4 1806.34,1624.52 1806.34,1398.73 1791.26,1383.65 1773.87,1383.65 1765.59,1375.37 v1(1761.63,1375.37)
  Bottom w10: PAD2.1@90,2040 104.84,2054.84 254.84,2054.84 激光头.3@255,2055
PB15: U1.76 舵机2.1 | length 2383.9
  Top w5: 舵机2.1@686.81,1706.06 692.87,1700 735,1700 755,1680 1090,1680 v1(1335,1925) ; v1(1780.26,1406.19) 1780.94,1405.51 1780.94,1350.51 2080.47,1050.98 U1.76@2361.74,1050.98
  Bottom w5: v1(1335,1925) 1375,1965 1487.76,1965 1611.46,1841.3 1611.46,1805.26 1796.34,1620.38 1796.34,1422.27 v1(1780.26,1406.19)
PC6: U1.96
PC7: U1.97
PC8: J1.7 R16.2 U1.98 | length 1322.1
  Top w5: U1.98@2361.74,1484.06 2362.33,1483.47 2474.06,1483.47 v1(2474.65,1482.88) ; v1(2625,1630) 3051.24,1630 3105,1683.76 3105,1950 3115,1960 3141.5,1960 R16.2@3146.5,1965
  Top w10: R16.2@3146.5,1965 3215,1965 3226.14,1976.14 J1.7@3310,1976.14
  Bottom w5: v1(2474.65,1482.88) 2500.19,1482.88 2625,1607.69 v1(2625,1630)
PC9: J1.8 R17.2 U1.99 | length 1256.1
  Top w5: U1.99@2361.74,1503.74 2362.37,1504.37 2454.37,1504.37 v1(2455,1505) ; v1(2600,1610) 2603.56,1606.44 2610.8,1606.44 2612.24,1605 3062.25,1605 3129,1671.75 3129,1886.75 3142.25,1900 R17.2@3146.5,1900
  Top w10: R17.2@3146.5,1900 3215,1900 3247.83,1932.83 J1.8@3310,1932.83
  Bottom w5: v1(2455,1505) 2495,1505 v1(2600,1610)
PC10: J1.1 R14.2 U1.111 | length 1664.9
  Top w5: U1.111@2243.49,1759.79 2248.78,1765.08 2248.78,1833.78 v1(2249.39,1834.39) ; v1(2280,1910) 2305,1910 2325.69,1889.31 2674.83,1889.31 ; R14.2@3146.5,2255 3145,2256.5 3145,2280 3125,2300 3040,2300 2980.86,2240.86 2980.86,1925.86 2895,1840 2724.14,1840 2692.07,1872.07 ; 2674.83,1889.31 2692.07,1872.07 ; 2674.83,1889.31 2692.07,1872.07
  Top w10: R14.2@3146.5,2255 3230,2255 3250,2235 3309.02,2235 J1.1@3310,2235.98
  Bottom w5: v1(2249.39,1834.39) 2280,1865 v1(2280,1910)
PC11: J1.2 R13.2 U1.112 | length 1504.3
  Top w5: U1.112@2223.8,1759.79 2223.8,1868.8 2245,1890 2280,1890 2290.69,1879.31 2670.69,1879.31 2720,1830 2900,1830 2995,1925 2995,2049.14 3030.86,2085 3100,2085 3110,2095 3110,2184.57 3112.93,2187.5 R13.2@3146.5,2187.5
  Top w10: R13.2@3146.5,2187.5 3151.68,2192.68 J1.2@3310,2192.68
PC12: J1.5 U1.113 | length 1415.4
  Top w5: v1(2203.06,1835.65) 2200.69,1833.27 2200.69,1763.22 U1.113@2204.12,1759.79 ; v1(2305,1850) 2335,1850 2344.31,1859.31 2662.4,1859.31 2711.72,1810 2908.28,1810 3015,1916.72 3015,2040 3040,2065 3307.76,2065 J1.5@3310,2062.76
  Bottom w5: v1(2203.06,1835.65) 2228.71,1810 2260,1810 2300,1850 v1(2305,1850)
PD2: J1.3 R15.2 U1.116 | length 1511.2
  Top w5: v1(2140,1840) 2140,1764.85 U1.116@2145.06,1759.79 ; v1(2250,1865) 2254.31,1869.31 2666.55,1869.31 2715.86,1820 2904.14,1820 3005,1920.86 3005,2045 3035,2075 3130,2075 3146.5,2091.5 R15.2@3146.5,2120
  Top w10: R15.2@3146.5,2120 3185,2120 3215,2150 3309.37,2150 J1.3@3310,2149.37
  Bottom w5: v1(2140,1840) 2165,1865 v1(2250,1865)
PD3: U1.117
PD6: U1.122
PD7: U1.123
PE2: U1.1
PE3: U1.2
PE4: U1.3
PE5: U1.4
PE6: U1.5
PF6: R23.2 U1.18 | length 2581.5
  Top w5: U1.18@1515,1346.26 1621.26,1346.26 1750.61,1475.61 2000.61,1475.61 2027.73,1502.73 2027.73,1525.04 v1(2031.3,1528.61) ; v1(2070,2100) 2505,2100 3150,2745 R23.2@3192,2745
  Bottom w5: v1(2031.3,1528.61) 2070,1567.31 v1(2070,2100)
PF7: IC6.12 U1.19 | length 1010.9
  Top w5: IC6.12@712.4,1377.2 782.04,1377.2 797.63,1361.61 1126.61,1361.61 1150,1385 1150,1460 1170,1480 1375,1480 1430,1425 1430,1347.66 1450,1327.66 1513.92,1327.66 U1.19@1515,1326.57
PF8: R18.2 U1.20 | length 2547.1
  Top w5: U1.20@1515,1306.89 1596.89,1306.89 1755,1465 2010,1465 v1(2055,1510) ; v1(2100,2080) 2160,2080 2170,2090 2509.14,2090 3084.14,2665 R18.2@3192,2665
  Bottom w5: v1(2055,1510) 2100,1555 v1(2100,2080)
PF9: IC6.14 U1.21 | length 1005.5
  Top w5: IC6.14@716.17,1428.39 754.9,1428.39 798.18,1385.1 1114.9,1385.1 v1(1115,1385) ; v1(1170,1430) 1170,1450 1190,1470 1365,1470 1420,1415 1420,1302.24 1435,1287.24 U1.21@1515,1287.2
  Bottom w5: v1(1115,1385) 1120,1385 1165,1430 v1(1170,1430)
PF10: IC6.11 R34.1 U1.22 | length 1177.7
  Top w5: IC6.11@697.05,1351.61 786.6,1351.61 800.18,1338.04 841.01,1338.04 ; R34.1@840,1221.5 840,1337.03 841.01,1338.04 ; U1.22@1515,1267.52 1440,1267.52 1414.05,1293.47 1414.05,1294.05 1410,1298.09 1410,1410 1360,1460 1215,1460 1190,1435 1190,1365 1163.04,1338.04 841.01,1338.04
PF11: IC6.15 U1.49 | length 1864.8
  Top w5: v1(639.19,1089.31) 668.51,1089.31 676.74,1081.08 754.63,1081.08 969.31,866.4 969.31,842.91 1034.51,777.7 1759.07,777.7 1787.33,805.97 1815.81,805.97 1830.1,820.27 U1.49@1830.1,913.05 ; v1(641.19,1452.81) 641.77,1453.39 696.46,1453.39 IC6.15@697.05,1453.98
  Bottom w5: v1(639.19,1089.31) 640.19,1090.31 640.19,1451.81 v1(641.19,1452.81)
PG6: U1.91
PG7: U1.92
PG8: U1.93
PG9: U1.124
PG11: U1.126
PG13: U1.128
"SWCLK PA14": JP2.5 U1.109 | length 1838.9
  Top w5: v1(2047.24,1357.36) 2047.24,1467.24 2282.86,1702.86 U1.109@2282.86,1759.79
  Bottom w5: JP2.5@1365,340 1327.7,377.3 cw(c1331.23,380.84) 1326.23,380.84 1326.23,435.48 ccw(c1321.23,435.52) 1326.21,436.03 cw(c1365,440) 1326.21,443.97 ccw(c1321.23,444.48) 1326.23,444.52 1326.23,649.87 2031.58,1355.22 v1@2047.24,1355.22
"SWDIO PA13": JP2.3 U1.105 | length 1865.2
  Top w5: v1(2095,1335) 2095,1405 2312.57,1622.57 2361.02,1622.57 U1.105@2361.74,1621.85
  Bottom w5: JP2.3@1365,240 1436.59,311.59 1436.59,746.08 2025.5,1335 v1(2095,1335)
TVDD: C42.2 C43.2 C44.1 IC6.1 IC6.9 IC6.10 R33.2 R34.2 | length 997.4
  Top w5: v1(410,1480) 410.22,1479.78 452.74,1479.78 IC6.1@452.95,1479.57 ; C44.1@445,1221.5 C42.2@543.75,1221.5 C43.2@642.5,1221.5 666.5,1221.5 ; v1(545,1480) 555,1470 555,1370 598.98,1326.02 IC6.10@697.05,1326.02 IC6.9@697.05,1300.43 695,1298.39 695,1250 666.5,1221.5 ; R34.2@840,1148.5 R33.2@741.25,1148.5 741.25,1152.75 672.5,1221.5 666.5,1221.5
  Bottom w5: v1(410,1480) v1(545,1480)
VBAT: U1.6
WIFI_EN: M4.3 R18.1 | length 141.5
  Top w5: R18.1@3265,2665 3300,2665 v1(3320,2645)
  Bottom w5: v1(3320,2645) 3320,2640 3330,2630 3382.05,2630 M4.3@3387.05,2625
WIFI_GPIO0: "GPIO0  GND.1" M4.12 | length 971.9
  Bottom w10: M4.12@2765,2467.52 3207.52,2467.52 3250,2510 3435,2510 3500,2575 3500,2680 3530,2710 3575,2710
WIFI_RST: M4.1 R23.1 | length 137.6
  Top w5: R23.1@3265,2745 3290,2745 v1(3320,2775)
  Bottom w5: v1(3320,2775) 3325.04,2775 3332.52,2782.48 M4.1@3387.05,2782.48
XL: IC6.4 U5.1 | length 235.4
  Top w5: U5.1@270,1461.85 270.19,1461.66 319.81,1461.66 v1(320,1461.48) ; v1(380,1400) 381.4,1401.4 451.56,1401.4 IC6.4@452.95,1402.8 IC6.4@477.8,1402.8
  Bottom w5: v1(320,1461.48) 320,1460.74 380,1400.74 v1(380,1400)
XR: IC6.2 U5.3 | length 196
  Top w5: U5.3@270,1422.48 342.48,1422.48 373.98,1453.98 IC6.2@452.95,1453.98
YD: IC6.3 U5.4 | length 194.9
  Top w5: U5.4@270,1402.8 347.8,1402.8 375,1430 451.34,1430 IC6.3@452.95,1428.39
YU: IC6.5 U5.2 | length 426.1
  Top w5: U5.2@270,1442.17 342.17,1442.17 410,1510 488.43,1510 510,1488.43 510,1410 477.2,1377.2 IC6.5@452.95,1377.2
pads on no net: IC5.4 IC6.13 J1.0 M4.2 M4.4 M4.5 M4.6 M4.7 M4.10 M4.11 M4.13 M4.14 U1.106 U5.0 U5.8 USB-UART1.0 USB-UART1.A5 USB-UART1.A8 USB-UART1.B5 USB-UART1.B8 USB.0 USB.A5 USB.A8 USB.B5 USB.B8
copper on no net:
  other v3: 3692.17,615
  other v4: 3515,615

## Polygon pours and split planes (outlines as drawn)
GND on Bottom "GND" (solid, pour order 0): 0,0 0,3149.61 3740.16,3149.61 3740,3150 3740,2535 3740.35,2532.76 3791.7,2481.41 3791.7,1809.85 3855.44,1746.11 3855.44,889.98 3780.19,814.73 3780.19,305.19 3740,265 3740,0

## Keep-outs
Keep-Out Layer:
  lines w10: 3740,0 3740,265 3780.19,305.19 3780.19,814.73 3855.44,889.98 3855.44,1746.11 3791.7,1809.85 3791.7,2481.41 3740.35,2532.76 ; 3740,0.16 3740.16,0 0,0 0,3149.61 3740.16,3149.61 ; 3740,2535 3740,3150

## Other copper
Top:
  rectangle net 5V_USB: 3535.74,1637.36 3625.74,1662.36
  rectangle net 5V_USB: 3534.13,1447.8 3624.13,1472.8
  rectangle net 5V_USB: 3535.67,1205.8 3625.67,1230.8
  rectangle net 12V: 2985,430 3190,500
  rectangle net 3V3: 1560,475 1790,535
  rectangle net 5V_USB: 3562.96,1205 3667.96,1220
  rectangle net 5V_USB: 3562.96,1030 3667.96,1045
  rectangle net 5V_USB: 3525.02,1019 3630.02,1041.6

## Silkscreen, mask and mechanical layers (free items; w line width, h text height)
Top Overlay:
  drawing of 1403 lines, arcs and shapes, not listed
  text "ArtistV1.0" at 2990,2838.6 h100
  text "WIFI_Updata" at 3474.32,2834 h60 r270
  text "TXD RXD GND" at 2737.83,2540 h60 r270
  text "B11 B10 3V3" at 2822.83,2510 h60 r270
  text "47uf" at 635,2400 h60
  text "47uf" at 1400,2395 h60
  text "47uf" at 2150,2390 h60
  text "SS8050" at 838.81,1891.42 h60 r270
  text "TF-CARD" at 3266,1768.83 h60
  text "USB" at 3488.22,1744 h60 r270
  text "UART" at 3488.83,1369 h60 r270
  text "AO3401A" at 2460,842.83 h60
  text "SS8050" at 707.83,770 h60 r270
  text "GND RST TXD RXD" at 1162.83,535 h60 r270
  text "GND CLK DIO 3V3" at 1422.83,525 h60 r270
  text "100uf" at 2374.97,501.25 h60 r270
  text "40Pin-3.5寸LCD" at 26,449.38 h60
  text "9~12V" at 3296,288.83 h60
  text "100uf" at 2975,60.06 h60
  text "15uH" at 2238.75,29.97 h60
Bottom Overlay:
  drawing of 2520 lines, arcs and shapes, not listed
  text "2B  2A  1A  1B" at 1638.12,2799.32 h60 r90
  text "2B  2A  1A  1B" at 880,2790.06 h60 r90
  text "2B  2A  1A  1B" at 2395,2790.06 h60 r90
  text "12V GND PB14" at 352.64,2315 h50 r90
  text "ESP8266-12S WIFI" at 3289,2091 h60
  text "3V3 GND Limit" at 452.64,1970 h50 r90
  text "MS1 MS2 MS3" at 1750,1937.36 h50
  text "MS1 MS2 MS3" at 2505,1937.36 h50
  text "MS1 MS2 MS3" at 1080,1932.36 h50
  text "GND GND GND" at 1765,1892.36 h50
  text "GND GND GND" at 2520,1892.36 h50
  text "GND GND GND" at 1095,1887.36 h50
  text "GND 3V3 PB12" at 787.64,1850 h50 r90
  text "GND 3V3 PB15" at 827.64,1850 h50 r90
  text "ArtistV1.0" at 2230,825 h200

## Dimensions
-49.73,3160.14 to -48.77,11.2 on Top Overlay
5,-55 to 3865,20 on Top Overlay

## Text inside footprints (layer, text, board x,y; h text height)
J1: Top Overlay "1" at 3398.39,2231.98 h30 r90; Top Overlay "4" at 3398.39,2099.98 h30 r90; Top Overlay "6" at 3398.39,2015.98 h30 r90; Top Overlay "7" at 3398.39,1973.98 h30 r90; Top Overlay "5" at 3398.39,2057.98 h30 r90; Top Overlay "k" at 3398.39,1880 h30 r90; Top Overlay "8" at 3398.39,1929.98 h30 r90; Top Overlay "3" at 3398.39,2146.98 h30 r90; Top Overlay "2" at 3398.39,2188.98 h30 r90